# Altium PCB Main.PcbDoc (part 2 of 3)
Units mm, origin at the board's own origin, x right, y up, seen from the top; angles counter-clockwise.
Board outline 100 x 60 mm, 2 copper layers (Top Layer, Bottom Layer); 313 components, 187 nets, 848 pads, 489 vias.
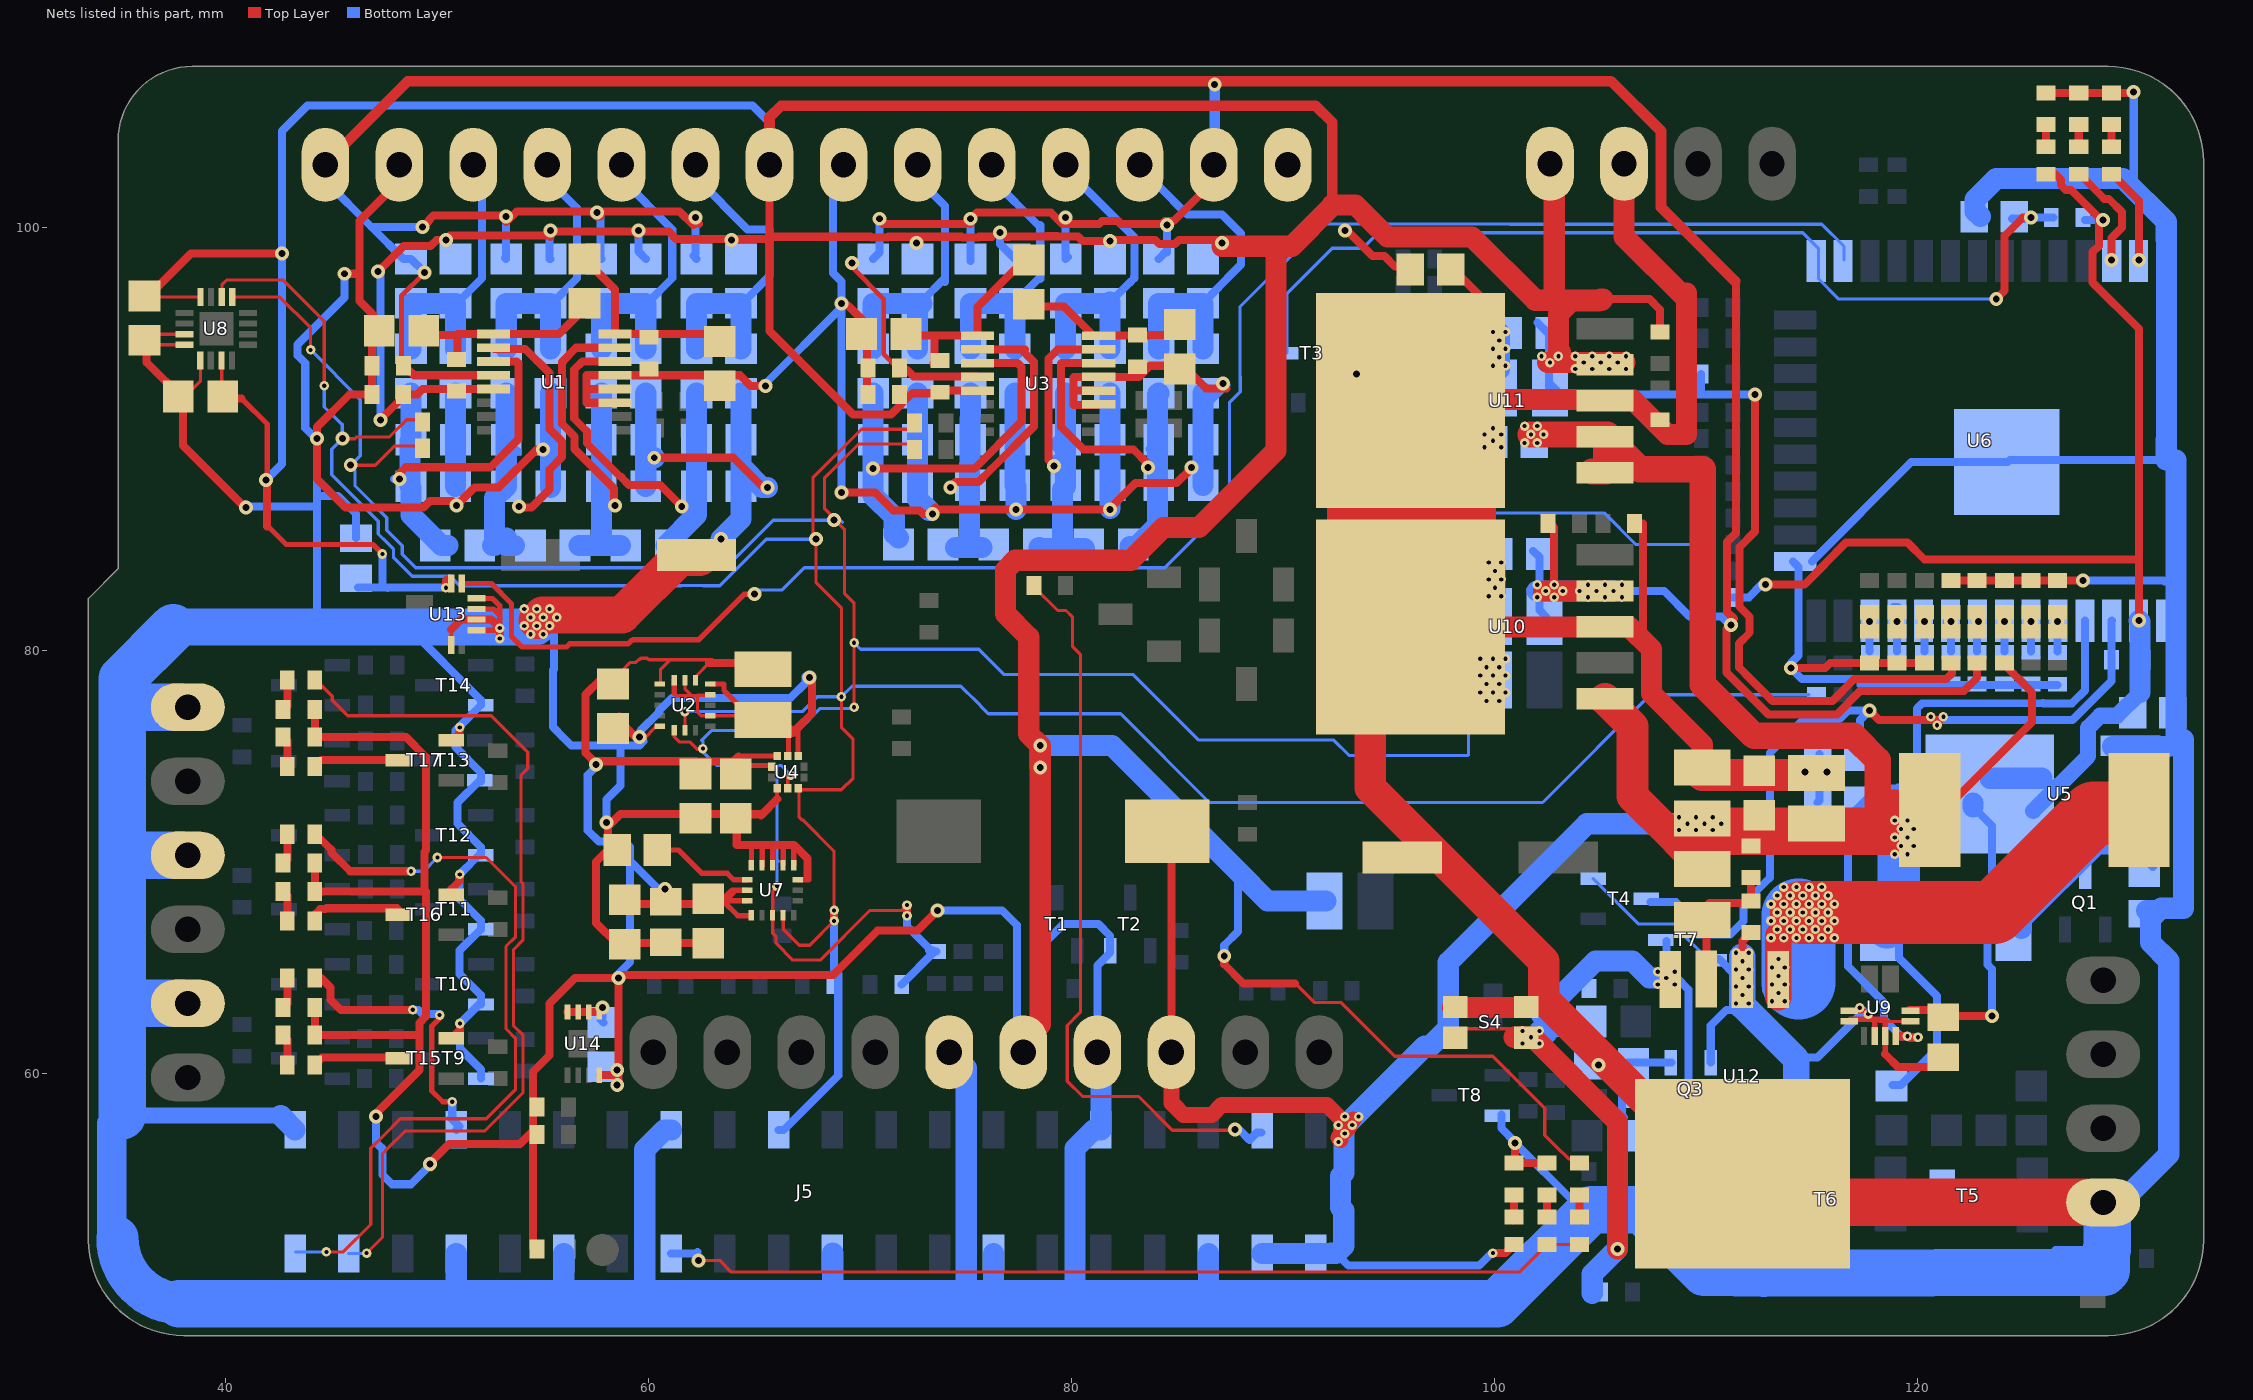
[diagram p2: the nets of this part, all layers, seen from the top]

## Via types
v1: diameter 0.45, hole 0.2, Top Layer to Bottom Layer, 295 vias
v2: diameter 0.66, hole 0.33, Top Layer to Bottom Layer, 147 vias
v3: diameter 1.02, hole 1.02, Top Layer to Bottom Layer, 40 vias
v4: diameter 2.75, hole 2.75, Top Layer to Bottom Layer, 4 vias
v5: diameter 1.6, hole 1.6, Top Layer to Bottom Layer, 2 vias
v6: diameter 2, hole 1, Top Layer to Bottom Layer, 1 vias

## Nets (pads, with @x,y where several pads share a name; then routed paths per layer and width w, separated by ;. In a path a pad name is that pad's centre, name@x,y a point inside that pad or via, vN(x,y) a via of type N, cw(c..) or ccw(c..) an arc to the next point about the centre after c; other vN are vias at no path point)
3.3V: C5.2 C9.2 C10.2 C15.2 C27.2 C28.2 C42.2 C43.2 C44.2 C45.2 C46.2 C57.2 C58.2 C66.2 C67.2 J6.1 J10.1 J13.1 JP1.2 R6.2 R12.2 R14.1 R19.1 R24.1 R29.1 R34.1 R39.1 R44.1 R49.1 R80.2 R107.2 R108.2 R109.2 R110.2 R123.2 R127.2 R149.2 R151.2 R153.2 R163.2 R164.2 R165.2 U1.13 U2.1 U2.14 U3.13 U4.1 U4.10 U7.1 U7.15 U7.16 U8.8 U8.15 U11.4 U13.12 U14.8 | length 513.3
  Top Layer w0.152: C45.2@36.672,96.704 U8.8@38.766,96.704 ; C46.2@39.8,92.152 U8.15@39.8,93.7 ; C10.2@58.7,78.4 58.7,79 59.122,79.422 59.375,79.422 59.531,79.578 59.581,79.578 59.622,79.619 59.928,79.619 59.997,79.55 63,79.55 62.85,79.4 U2.14@62.2,78.75 ; 60.55,78.525 60.55,79.1 60.981,79.531 ; 90.55,64.25 91.45,63.35 92.707,63.35 95.257,60.8 97.214,60.8 97.217,60.803 ; 97.1,60.803 97.217,60.803 ; R107.2@104,55.7 103.75,55.95 103.479,55.95 102.882,56.547 102.867,56.547 102.35,57.064 102.35,58.35 99.897,60.803 97.217,60.803
  Top Layer w0.25: 40.744,91.896 41.95,90.69 41.95,88.25 v2@42.1,88.1 ; v2@41.95,87.95 41.95,85.9 42.85,85 46.95,85 v1(47.4,84.55) ; C44.2@62.8,68.2 63.45,68.2 C44.2@63.5,68.15 ; C44.2@63.4,68.1 63.45,68.15 C44.2@63.5,68.15 ; 64,68.65 U7.15@64.65,68.65 ; 64.25,74.95 64.3,75 U4.10@66.05,75 ; C28.2@64.4,74.65 64.5,74.55 U4.1@65.8,74.55 ; U7.16@64.65,68.15 C44.2@63.5,68.15 ; U7.1@64.85,67.45 64.2,67.45 C44.2@63.5,68.15
  Top Layer w0.381: C45.2@36.2,96.6 38.35,98.75 v2(42.65,98.75) ; C46.2@39.8,92.152 39.544,91.896 40.744,91.896 ; 41.944,85.856 41.944,87.944 v2@41.95,87.95 ; R108.2@44.2,63.1 R149.2@44.2,61.8 49.15,61.8 ; R110.2@44.2,69.95 R151.2@44.2,68.6 49.45,68.6 ; R153.2@44.2,75.9 R109.2@44.2,77.25 ; R153.2@44.25,75.9 48.507,75.9 49.45,74.957 49.45,70.525 49.381,70.456 49.381,68.681 49.469,68.594 49.469,62.82 49.466,62.817 49.466,62.8 49.45,62.784 49.45,62.681 49.15,62.381 49.15,61.8 ; v2(47.1,57.95) 47.1,58.1 49.15,60.15 49.15,61.8 ; v2(47.2,97.9) 48.406,99.106 49.67,99.106 49.964,99.4 v2(50.4,99.4) 50.6,99.6 55.3,99.6 v2@55.35,99.55 ; v2(47.297,90.887) 47.297,90.897 48.5,92.1 49.05,92.1 49.3,92.35 U1.13@52.65,92.35 ; v2@49.7,55.55 49.7,55.8 50.55,56.65 53.9,56.65 R165.2@54.519,57.269 ; v1(50.4,82.95) 50.4,83.3 50.45,83.35 50.606,83.194 U13.12@50.606,83.1 ; R163.2@54.6,51.65 54.519,51.731 R165.2@54.519,57.269 ; v2(55.35,99.85) 55.393,99.806 59.306,99.806 59.3,99.8 59.375,99.725 59.45,99.65 59.5,99.7 v2(59.5,99.85) 59.55,99.8 60.936,99.8 61.286,99.45 63.85,99.45 v2(63.9,99.4) 63.95,99.45 65.7,99.45 ; U14.8@57.7,59.91 58.31,59.91 v2@58.5,60.1 ; v2(58.5,59.45) v2@58.5,60.1 ; v2(58.5,60.15) v2@58.5,60.1 ; v2@58.55,59.4 v2(58.55,64.5) ; C10.2@58.55,78.65 57.75,78.65 57,77.9 57,75.15 v2@57.525,74.625 ; C10.2@58.65,78.35 C10.2@58.7,78.4 ; C43.2@58.7,68.2 58.9,68 C42.2@60.75,68 ; C42.2@60.75,68.65 C42.2@60.75,68 ; v2(60.75,68.7) C42.2@60.8,68.7 ; 62.85,79.4 C9.2@65.3,79.4 ; C44.2@62.9,68.1 62.8,68 C42.2@60.75,68 ; C44.2@63.45,68.2 63.55,68.2 63.95,68.6 ; C28.2@64.3,73.75 64.23,73.82 64.23,74.98 63.981,74.731 62.244,74.731 62.225,74.75 57.65,74.75 v2@57.525,74.625 ; 65.45,64.65 62.7,64.65 62.7,64.644 58.694,64.644 v2(58.55,64.5) ; 65.514,64.65 68.714,64.65 70.814,66.75 72.7,66.75 v2(73.65,67.7) ; 65.7,99.2 65.7,95.1 69.65,91.15 71.45,91.15 72.45,92.15 R12.2@73.3,92.15 ; J13.1@65.7,102.19 65.7,99.45 ; R12.2@73.45,92.2 73.525,92.275 U3.13@75.53,92.275 ; 76.225,99.55 75.614,99.55 75.57,99.506 74.83,99.506 74.786,99.55 71.314,99.55 71.27,99.506 70.53,99.506 70.486,99.55 65.85,99.55 65.7,99.4 65.7,99.45 ; v2@76.85,99.569 76.869,99.55 77.018,99.55 77.037,99.569 78.813,99.569 78.816,99.572 79.301,99.572 79.317,99.556 80.07,99.556 80.08,99.566 80.284,99.566 80.5,99.35 81.75,99.35 81.8,99.4 83.936,99.4 84.13,99.206 84.87,99.206 85.064,99.4 86.8,99.4 v2@87.1,99.1 ; v2(87.2,65.55) 87.2,65.15 88.1,64.25 90.55,64.25 ; 105,96.6 105.1,96.6 107.3,96.6 107.8,96.1 R123.2@107.8,95.05 ; v2(112.3,92.1) 112.3,85.614 111.556,84.87 111.556,82.058 112.044,81.57 112.044,80.83 111.534,80.32 111.534,79.192 112.034,78.692 113.126,77.6 115.95,77.6 117,78.65 121.35,78.65 121.6,78.9 R80.2@121.6,79.4 ; R165.2@54.519,57.269 54.519,60.069 55.3,60.85 55.3,63.3 56.5,64.5 v2(58.55,64.5) ; v2@57.525,74.625 57.55,74.6 v2(57.5,74.6) v2@57.525,74.625
  Top Layer w0.5: J13.1@65.7,102.4 J13.1@65.7,102.95 65.7,105.2 66.25,105.75 91.513,105.75 92.3,104.963 92.3,101.053
  Top Layer w1: J10.1@77.7,61.5 78.5,62.3 v2(78.5,74.45) v2@78.5,75.45 ; v2(78.5,75.5) 77.953,76.047 77.953,79.527 77.953,80.63 76.856,81.726 76.856,83.8 77.309,84.253 80.841,84.253 80.844,84.25 81.056,84.25 81.059,84.253 82.341,84.253 82.344,84.25 82.776,84.25 84.323,85.797 85.997,85.797 89.65,89.45 89.65,99.1 ; v2@87.1,99.1 89.65,99.1 ; 94.103,100.347 94.913,99.537 98.916,99.537 101.904,96.55 102.8,96.55 ; 94.103,100.348 93.398,101.053 92.3,101.053 92.3,101 90.4,99.1 89.65,99.1 ; v1@102.495,93.6 v1(102.6,93.6) 104.6,93.6 U11.4@106.15,93.6 ; J6.1@102.6,103.05 102.8,102.85 102.8,96.55 ; v1@103.1,94.1 103,94.2 103,95.91 103.605,96.515 104.915,96.515 104.95,96.55 ; 105,96.6 104.95,96.55 ; 105.1,96.6 105.05,96.55 104.95,96.55 ; 102.8,96.55 104.95,96.55
  Bottom Layer w0.381: v2(41.9,88.05) 42.65,88.8 v2(42.65,98.75) 42.65,104.55 43.85,105.75 64.9,105.75 65.7,104.95 J13.1@65.7,102.95 J13.1@65.7,102.4 ; C66.2@46.244,82.956 47.4,82.956 ; v2(47.1,57.95) 47.1,56.726 47.338,56.488 47.362,56.488 47.4,56.45 47.4,55.2 47.85,54.75 48.75,54.75 v2@49.65,55.65 ; v2(47.2,97.9) 47.3,97.9 v2@47.3,90.85 ; v1(47.4,84.55) 47.4,82.956 ; 47.65,82.95 47.4,82.956 ; v1@50.306,82.956 47.4,82.956 ; R29.1@55.35,98.5 55.3,98.5 55.3,99.8 v2(55.35,99.85) ; v2@57.6,74.6 57.106,74.106 57.106,71.48 57.63,70.956 58.844,70.956 59.1,70.7 59.1,70.05 ; v2(58.55,64.5) 58.55,64.7 59.1,65.25 59.1,70.05 ; v2(59.5,99.85) 59.5,98.85 R39.1@59.85,98.5 ; v2(60.75,68.7) 60.45,68.7 59.1,70.05 ; v2(73.65,67.7) 76.7,67.7 77.4,67 77.4,61.39 J10.1@77.7,61.09 ; v2(76.6,99.75) 76.6,99.2 R24.1@77.3,98.5 ; v2(87.2,65.55) 87.2,66.05 87.85,66.7 87.85,69.55 ; C58.2@102,95.5 102.55,94.95 102.55,92.45 C57.2@102.6,92.4 ; C57.2@102.6,92.6 103,92.2 102.9,92.1 109.75,92.1 ; R127.2@109.75,93.05 109.75,92.1 ; v2@112.181,91.981 112.063,92.1 109.75,92.1
  Bottom Layer w1: v2(78.5,74.45) v2(78.5,75.5) ; v2@78.55,75.5 81.9,75.5 87.85,69.55 89.25,68.15 JP1.2@91.95,68.15 JP1.2@92,68.15 ; v1(102.6,93.6) v1(104.2,93.6) ; 103.8,93.6 v1(104.2,93.6) ; v1@105.6,93.6 104.6,93.6 ; 106.1,93.6 v1(105.8,93.6) v1(105,93.6) 104.6,93.6 ; v1(104.2,93.6) v1@104.228,93.6 ; v1(104.2,93.6) v1@104.228,93.6 ; v1@104.228,93.6 104.6,93.6 ; v1@104.228,93.6 104.6,93.6
  other v1: 103.8,93.3 104.6,93.3 105.4,93.3 106.2,93.3 102.2,93.9 103,93.9 103.8,93.9 104.6,93.9 105.4,93.9 106.2,93.9
  other v2: 49.65,55.7 72.65,99.25 87.1,99.25 81.8,99.35
5V: C59.2 C61.2 C62.2 C63.2 C64.2 D2.1 D10.1 J5.2 J5.4 J9.1 L1.2 LS1.2 R86.2 R93.1 R125.1 U10.1 U11.1 U11.2 | length 156
  Top Layer w0.381: LS1.2@82.7,72.7 LS1.2@83.9,71.5 ; LS1.2@84.05,71.25 LS1.2@84.05,71.35 ; LS1.2@84.6,71.45 84.7,71.35 84.7,61.09 J9.1@84.7,61.04 ; v1(99.9,51.5) 100.5,51.5 D10.1@100.9,51.9 D10.1@100.95,51.85 ; L1.2@120.6,71.8 125.4,76.6 125.4,78 124.744,78.656 124.737,78.656 124.506,78.887 124.506,78.894 124.1,79.3 R86.2@124.1,79.4
  Top Layer w0.762: J9.1@84.702,61.04 84.7,61.09 84.7,58.595 84.795,58.5 84.8,58.5 85.278,58.022 86.601,58.022 87.079,58.5 92.05,58.5 92.8,57.75 92.9,57.65 92.9,57.4 ; v1@92.7,56.85 92.6,56.95 v1@93.125,57.475 ; 93.3,57.8 92.9,57.4 ; 92.9,57.4 92.75,57.25 92.9,57.25 92.9,57.4
  Top Layer w1.25: v1(101.7,90.2) v1(102.3,90.2) U11.2@105.3,90.2 ; U11.1@104.6,88.45 105.25,88.45 105.25,90.15 106.85,88.55 109.822,88.55 109.822,78.378 112.25,75.95 116.95,75.95 118.1,74.8 118.1,71.652 118.1,71.5
  Top Layer w1.5: U10.1@105.2,77.697 105.203,77.697 106.5,76.4 106.5,73.1 108.4,71.2 108.675,70.925 C61.2@109.55,70.05
  Top Layer w2.25: C62.2@109.8,71.45 110.7,71.45 112.1,71.45 115.2,71.45 117.65,71.45 118.05,71.45 ; 117.85,71.45 118.05,71.45 ; 118.05,71.45 118.9,71.45 L1.2@119.2,71.45 ; 118.05,71.45 L1.2@119.2,71.45 ; 118.05,71.45 118.1,71.5 118.24,71.64 ; 118.24,71.64 118.866,71.582 118.939,71.575 119.012,71.568 119.2,71.551 119.273,71.544 119.461,71.527 119.534,71.52 119.607,71.514 119.795,71.496 119.868,71.49 120.3,71.45 119.8,71.45 L1.2@119.2,71.45 ; 118.24,71.64 118.9,72.3 118.729,72.161 118.714,72.15 118.7,72.138 118.338,71.845 118.1,71.652 118.24,71.64
  Bottom Layer w0.381: 92.5,51.475 93.075,50.9 99.25,50.9 99.85,51.5 v1(99.9,51.5) ; v1@109.3,71.8 v1@109.6,72.1 ; R93.1@118.8,59.45 119.2,59.45 120.9,61.15 120.9,63.65 119.1,65.45 119.1,67.4 119.075,67.425 119.05,67.45
  Bottom Layer w1: J5.4@88.99,51.479 J5.2@91.53,51.479 92.479,51.479 ; 92.25,51.5 92.525,51.5 92.85,51.825 92.85,53.516 92.7,53.666 92.7,55.134 92.861,55.295 92.861,57.15 92.861,57.532 93.094,57.764
  Bottom Layer w1.016: 92.925,57.525 96.677,61.277 96.94,61.277 97.789,62.126 97.789,65.239 104.35,71.8 109.3,71.8 110.3,71.8 v1@110.6,71.8
  Bottom Layer w2: D2.1@118.55,66.9 119.075,67.425 119.094,67.444 119.094,70.75 v1@119.094,71.15
  other v1: 92.6,56.75 92.9,57.15 92.6,57.55 93.25,57.55 92.9,57.95 93.55,57.95 118.9,70.35 119.5,70.35 119.2,70.75 119.8,70.75 118.9,71.15 119.5,71.15 108.7,71.5 109.5,71.5 110.3,71.5 119.2,71.55 119.8,71.55 109.1,71.8 109.9,71.8 110.7,71.8 118.9,71.95 119.5,71.95 108.7,72.1 109.5,72.1 110.3,72.1 101.4,89.8 102,89.8 101.4,90.6 102,90.6
5V_Clean: C6.2 C16.2 C54.2 C55.2 J8.1 J11.1 R13.1 R18.1 R23.1 R28.1 R33.1 R38.1 R43.1 R48.1 R76.2 R121.2 U1.12 U3.12 U10.4 | length 206
  Top Layer w0.225: 48.3,93.95 48.3,96.756 v2(49.397,97.853) ; v2@69.6,98.1 71.1,96.6 71.1,94 C16.2@71.6,93.5
  Top Layer w0.381: C6.2@48.4,93.45 48.9,93 ; 48.85,93.05 48.9,93 ; v2@49.3,100 49.594,100.294 49.594,100.344 49.8,100.55 53.05,100.55 v2@53.25,100.35 ; U1.12@52.45,93 48.9,93 ; v2(53.25,100.5) v2@53.25,100.35 ; v2(57.55,100.7) 57.55,100.65 v2@57.7,100.5 ; v2(62.2,100.45) v2@62.2,100.313 ; 62.356,100.156 v2@62.2,100.313 ; v2@70.844,100.356 71.044,100.156 74.914,100.156 75.052,100.294 75.189,100.156 75.189,100.389 v2(75.2,100.4) 75.5,100.7 79,100.7 79.55,100.15 81.286,100.15 81.43,100.294 82.17,100.294 82.308,100.156 84.256,100.156 84.4,100.3 84.81,100.3 J8.1@86.7,102.19 ; C16.2@72.2,93.25 72.5,92.95 75.505,92.95 U3.12@75.53,92.925 ; R121.2@102.5,86.1 102.8,85.8 v1(102.8,83.1) ; U10.4@105.202,82.8 v1(105.6,82.8) ; 111.35,97.45 111.4,97.5 111.4,85.54 110.972,85.112 110.972,81.816 111.294,81.494 111.15,81.35 v2(111.15,81.2) 110.95,81 110.95,78.95 111.45,78.45 112.931,76.969 116.169,76.969 117.266,78.066 122.166,78.066 122.8,78.7 R76.2@122.8,79.5 ; v2@53.25,100.35 53.25,100.25 53.75,100.75 57.263,100.75 57.513,100.5 v2@57.7,100.5 ; v2@57.7,100.5 57.7,100.75 61.45,100.75 62.1,100.1 62.2,100.2 v2@62.2,100.313
  Top Layer w0.5: J11.1@44.65,102.24 44.7,102.29 J11.1@44.7,102.95 44.7,103 48.6,106.9 105.45,106.9 ; 105.516,106.884 107.85,104.55 107.85,100.95 108.946,99.854 111.35,97.45
  Top Layer w1: v1@102.295,82.8 v1(102.4,82.8) v1(103.2,82.8) v1(104,82.8) v1(104.8,82.8) U10.4@105.202,82.8
  Bottom Layer w0.381: J11.1@44.7,102.19 46.891,100 ; v2(49.3,100) 46.891,100 ; v2(49.397,97.853) R18.1@48.75,98.5 48.39,98.5 46.891,100 ; R28.1@53.25,98.5 53.2,98.55 53.25,98.6 v2(53.25,100.5) ; v2(57.55,100.7) 57.6,100.7 57.7,100.6 57.7,98.55 R38.1@57.75,98.5 ; v2(62.2,100.45) 62.2,98.75 62.1,98.65 R48.1@62.25,98.5 ; R13.1@70.6,98.5 70.9,98.8 v2(70.9,100.4) ; R23.1@75.2,98.4 R23.1@75.2,98.5 v2(75.2,100.4) ; R33.1@79.7,98.5 79.8,98.6 R33.1@79.7,98.7 ; R33.1@79.7,98.6 R33.1@79.7,98.7 ; v2(79.7,100.45) R33.1@79.7,98.7 ; R43.1@84.1,98.5 R43.1@84.5,98.9 ; R43.1@84.5,98.8 R43.1@84.5,98.9 ; v2(84.5,100.1) R43.1@84.5,98.9 ; C55.2@101.8,84.7 102.1,84.4 102.1,82.8 102.1,81.9 C54.2@102.4,81.6 ; v1(105.6,82.8) 108,82.8 109.2,81.6 110.7,81.6 111.15,81.15 v2(111.15,81.2)
  Bottom Layer w0.5: J8.1@86.7,102.19 86.8,102.29 86.75,102.341 v2(86.75,106.75)
  Bottom Layer w1: C54.2@102,82.8 102.1,82.8 C54.2@102.295,82.8 ; v1(102.4,82.8) v1(103.2,82.8) v1(104,82.8) v1(104.8,82.8) v1(105.6,82.8)
  other v1: 102,82.5 102.8,82.5 104.4,82.5 105.2,82.5 106,82.5 102,83.1 104.4,83.1 105.2,83.1 106,83.1
  other v2: 69.6,98.3
ESP_VCC: C32.2 C52.2 D1.1 R55.1 R68.1 R85.1 U5.2 U6.2 U9.12 | length 73.7
  Top Layer w0.381: v2(112.8,83.1) 114.632,83.1 116.597,85.097 119.501,85.097 120.298,84.3 130.45,84.3 ; U9.12@119.6,62.994 120.506,62.994 120.8,62.7 v2(123.5,62.7) ; D1.1@126.05,102.55 126.45,102.55 126.756,102.244 126.756,101.987 126.987,101.756 127.244,101.756 128.55,100.45 128.55,99.114 128.256,98.82 128.256,97.394 130.45,95.2 130.45,84.3 ; v2(130.45,81.4) 130.45,84.3
  Bottom Layer w0.381: R85.1@111.25,82.5 112,82.5 112.6,83.1 v2(112.8,83.1) ; U5.2@122.6,72.6 123.5,71.7 123.5,68.882 123.281,68.663 123.281,65.137 123.5,64.918 v2(123.5,62.7) ; R55.1@127.9,100.35 v2(128.75,100.35)
  Bottom Layer w0.762: U5.2@125.45,72.4 128.041,74.991 128.041,76.332 128.609,76.9 129.4,76.9 130.5,78
  Bottom Layer w1: U5.2@122.6,72.6 U5.2@122.6,72.774 ; U5.2@123.4,73.95 U5.2@125.85,73.95 ; v2(130.45,81.4) 130.5,81.35 130.5,78
GND: C5.1 C6.1 C7.1 C8.1 C9.1 C10.1 C15.1 C16.1 C17.1 C18.1 C19.1 C20.1 C21.1 C22.1 C23.1 C24.1 C25.1 C26.1 C27.1 C28.1 C29.1 C30.1 C31.1 C32.1 C33.1 C34.1 C35.1 C36.1 C37.1 C38.1 C39.1 C40.1 C41.2 C42.1 C43.1 C44.1 C45.1 C46.1 C47.1 C50.1 C51.1 C52.1 C53.1 C54.1 C55.1 C56.1 C57.1 C58.1 C59.1 C60.1 C62.1 C63.1 C64.1 C65.1 C66.1 C67.1 D11.1 J5.6 J5.9 J5.14 J5.20 J5.25 J5.30 J5.34 J5.39 J6.2 J7.2 J8.2 J9.2 J10.2 J11.2 J13.2 J14.2 J15.2 J16.2 Q3.2 R5.2 R11.2 R16.2 R17.2 R21.2 R22.2 R26.2 R27.2 R31.2 R32.2 R36.2 R37.2 R41.2 R42.2 R46.2 R47.2 R51.2 R52.2 R58.1 R64.1 R70.1 R74.1 R77.1 R81.1 R83.1 R84.1 R88.1 R104.1 R105.1 R106.1 R111.1 R112.2 R116.1 R122.1 R124.1 R126.2 S4.2 S4.4 T1.2 T2.2 T3.2 T4.2 T5.2 T6.2 T7.2 T8.2 T9.2 T10.2 T11.2 T12.2 T13.2 T14.2 T15.2 T16.2 T17.2 U1.3 U1.4 U1.5 U2.5 U2.10 U2.12 U2.13 U2.15 U2.16 U3.3 U3.4 U3.5 U4.3 U4.8 U4.9 U5.1 U6.1 U6.15 U6.38 U6.39 U7.8 U7.9 U7.10 U7.11 U7.12 U7.13 U8.11 U8.12 U8.13 U9.5 U9.6 U9.8 U9.9 U9.11 U10.3 U10.6 U11.3 U11.6 U12.3 U12.6 U13.5 U13.7 U13.8 U13.9 U13.10 U14.1 U14.2 U14.3 U14.4 | length 889.2
  Top Layer w0.15: 118.15,62.453 119.647,62.453 U9.11@119.7,62.4
  Top Layer w0.152: C45.1@36.49,94.942 U8.11@38.058,94.942 ; C45.1@36.518,94.442 U8.12@38.058,94.442 ; C46.1@37.964,91.896 38.8,92.732 U8.13@38.8,93.7 ; U13.5@50.65,80.25 50.65,80.982 ; v2@59.7,75.8 59.75,75.8 U2.5@60.325,76.375 ; 61.2,77.95 61.3,77.85 62.024,77.85 ; U2.15@61.7,78.75 61.7,78.174 62.024,77.85 ; 62.35,77.85 62.3,77.85 ; U2.12@62.925,77.875 62.3,77.875 62.3,77.85 ; C9.1@65.3,77 65.2,76.9 U2.10@62.89,76.9 62.474,76.9 62.3,77.074 62.3,77.85 ; 66.065,72.965 U4.3@66.065,73.475 ; 62.024,77.85 62.3,77.85
  Top Layer w0.25: U13.9@51.85,81.95 52.65,81.95 52.95,81.65 ; U13.10@51.85,82.45 52.6,82.45 52.95,82.1 52.95,81.65 ; U13.7@51.9,80.95 v1@52.95,80.95 ; v1(52.95,81.05) 52.95,81.65 ; 61.2,77.95 U2.16@61.2,78.6 ; U2.13@62.9,78.4 63.55,78.4 63.55,78.1 C9.1@64.4,77.25 ; U7.13@64.85,69.85 64.85,70.8 64.85,70.85 ; U7.12@65.35,69.8 65.35,70.8 ; U7.11@65.85,69.8 65.85,70.8 ; U7.10@66.35,69.85 66.35,70.8 ; U4.9@66.6,75 C9.1@66.6,76.25 ; U7.9@66.85,69.85 66.85,70.8 ; U7.8@67.05,69.15 67.55,69.15 ; U4.8@67.05,75 67.05,76.35 ; U9.5@116.75,62.95 117.45,62.95 117.85,62.55 ; U9.6@116.8,62.55 117.85,62.55 ; 117.9,62.5 117.85,62.55 ; U9.8@117.95,61.8 117.95,62.45 ; 118.45,60.9 U9.9@118.45,61.75 ; U9.9@118.45,61.8 118.45,62.45 ; 118.45,62.55 117.85,62.55
  Top Layer w0.381: C45.1@36.49,94.942 C45.1@36.254,94.706 ; C45.1@36.518,94.442 C45.1@36.254,94.706 ; v2(40.95,86.75) 40.963,86.75 41.006,86.794 40.856,86.794 37.964,89.686 37.964,91.896 36.254,93.606 C45.1@36.254,94.706 ; 44.3,88.836 44.3,88.7 ; v2(45.6,97.8) 46.3,97.8 ; J11.2@48.2,102.19 46.306,100.296 46.306,96.504 47.51,95.3 47.51,95.1 46.9,94.49 C6.1@46.9,93.45 C5.1@46.9,92.1 45.85,92.1 44.3,90.55 v2(44.3,90) 44.3,88.7 ; T16.2@50.65,68.7 51.051,69.101 v1(51.051,69.401) ; 50.65,80.982 51.118,81.45 U13.8@51.85,81.45 52.55,81.45 v1(52.95,81.05) 52.95,80.95 v1(52.95,80.55) ; T15.2@50.66,61.65 51.061,62.051 v1(51.061,62.351) ; T17.2@50.667,75.7 51.051,76.085 51.05,76.086 v1(51.05,76.35) ; v2(55,89.5) 54.7,89.5 52.911,87.711 52.911,87.689 52.9,87.7 51.75,87.7 v2(50.9,86.85) 50.7,87.05 49.642,87.05 49.342,86.75 45.65,86.75 44.3,88.1 44.3,88.7 ; U14.4@56.15,62.895 U14.3@56.65,62.895 U14.2@57.15,62.895 U14.1@57.65,62.895 57.695,62.895 v2@57.85,63.05 ; 57.1,92.3 57.15,92.35 U1.4@58.39,92.35 ; U1.3@58.4,91.7 57.053,91.7 57.053,93 R5.2@60.25,93 ; C10.1@58.6,76.86 58.6,76.65 59.45,75.8 v2@59.65,75.8 ; C41.2@58.8,70.55 C41.2@58.5,70.55 C41.2@58.05,70.55 ; C41.2@58.8,70.99 C41.2@58.8,71 ; v2(60.25,89.1) 64,89.1 65.4,87.7 v2(65.6,87.7) v2@65.7,87.7 ; R5.2@60.275,93.025 R5.2@60.25,93 ; C44.1@62.9,66.15 C44.1@62.8,66.15 58.45,66.15 57.5,67.1 57.5,70 C41.2@58.05,70.55 ; C28.1@63.5,72.23 C28.1@64.15,72.23 ; C28.1@64.15,72.3 C28.1@64.15,72.25 ; C9.1@65.253,77.047 65.9,77.047 66.815,76.132 ; 65.29,72.19 66.065,72.965 ; C9.1@65.3,77 C9.1@65.547,77 ; v2@65.4,92.6 v2(65.5,92.5) 64.8,92.5 64.3,93 R5.2@60.25,93 ; 66.815,76.085 66.8,76.1 67.05,76.35 67.7,77 v2@67.7,78.8 ; 67.5,69.2 67.5,70.15 66.85,70.8 66.35,70.8 65.85,70.8 65.35,70.8 64.85,70.8 64.15,70.8 C28.1@64.15,72.23 ; v2@69.05,87.45 v2(69.1,87.45) 70.7,87.45 71.55,86.6 72.8,86.6 72.95,86.45 v2(73.4,86.45) ; v2@69.1,96.3 69.41,96.3 70.31,95.4 C15.1@70.31,92.3 ; v2@73.275,86.475 73.55,86.75 73.65,86.65 v2(77.35,86.65) 81.65,86.65 81.75,86.75 v2@81.8,86.7 ; U3.3@81.2,91.6 80.068,91.6 80.068,92.282 ; U3.4@81.27,92.275 80.075,92.275 80.068,92.282 ; v2(81.8,86.65) v2@81.8,86.7 ; v2(85.65,88.65) 85.65,88.6 84.95,87.9 83,87.9 v2@81.8,86.7 ; v2@87.3,92.375 86.345,92.375 85.27,93.45 83.7,93.45 83.175,92.925 U3.5@81.27,92.925 80.093,92.925 80.068,92.9 80.068,92.282 ; U10.6@96.048,81.252 U10.6@96.2,81.1 ; U11.6@96.248,92.052 U11.6@96.3,92 ; U11.6@96.25,91.95 U11.6@96.3,92 ; U11.6@96.4,91.9 U11.6@96.3,92 ; C65.1@97.9,98.15 100.1,95.95 100.1,95.8 U11.6@96.3,92 ; R116.1@100.85,55.65 R116.1@100.95,55.75 ; v2(100.95,56.7) R116.1@100.95,55.75 ; R105.1@102.45,55.75 R116.1@100.95,55.75 ; R122.1@106.55,86 107,86 107,80.6 107.35,80.25 ; U12.6@107.9,55.8 U12.6@108.2,55.5 ; U12.3@111.7,64.442 v1(111.7,64.5) v1(111.7,65.3) 111.7,66.25 R126.2@112.1,66.65 ; v2(114,79.15) 115.6,79.15 115.85,79.4 ; 115.85,79.4 R70.1@117.7,79.4 ; R70.1@117.5,79.45 117.55,79.4 R58.1@120.3,79.4 ; 118.45,60.9 119.05,60.3 120.85,60.3 C52.1@121.25,60.7 ; R81.1@121.6,83.3 R88.1@124.1,83.3 126.55,83.3 R74.1@126.6,83.35 ; R84.1@126.05,106.35 R104.1@127.65,106.35 ; R74.1@126.65,83.4 126.75,83.3 v2(127.8,83.3) ; R104.1@127.6,106.4 R104.1@127.65,106.35 ; v2@130.25,106.35 R106.1@129.15,106.35 R104.1@127.65,106.35 ; C41.2@58.05,70.55 C41.2@58.069,70.569 ; C41.2@58.05,70.55 C41.2@58.069,70.569 ; C41.2@58.069,70.569 58.069,71.669 58.65,72.25 64.1,72.25 C28.1@64.15,72.25 ; C28.1@64.15,72.23 65.28,72.23 65.3,72.25 C28.1@64.15,72.25 ; C28.1@64.15,72.23 C28.1@64.15,72.25
  Top Layer w1: U10.6@94.1,81.1 U10.6@96,81.1 U10.6@96.2,81.1 ; U10.6@94.9,82.8 95.4,82.8 95.8,82.4 95.8,81.5 U10.6@96.048,81.252 ; U11.6@95.1,93.6 95.6,93.6 96,93.2 96,92.3 U11.6@96.248,92.052 ; U11.6@96.048,91.9 96.4,91.9 96.9,91.85 106.5,91.85 108.15,90.2 109.05,90.2 109.05,95.194 109.05,96.6 ; U10.6@96.7,81.1 U10.3@105.195,81.1 106.35,81.1 107.4,80.05 107.4,77.95 109.8,75.55 C62.1@109.8,74.45 C62.1@109.8,74.1 ; S4.4@98,63.1 98.125,63.1 101.475,63.1 S4.2@101.8,63.1 ; J6.2@106.2,101.8 106.1,101.7 106.1,99.55 109.05,96.6 ; 109.05,96.6 109.053,96.597 109.053,96.891 109.05,96.888 109.05,96.6
  Top Layer w1.5: U10.6@94.1,81.1 94.1,73.5 102.3,65.3 102.3,63.5 107.2,58.6 107.2,58.9 107.9,58.9 U12.6@107.9,58 ; U10.6@96.7,81.1 U10.6@96.7,81.6 ; U11.6@96.9,91.85 U11.6@96.9,92.4 ; U12.6@107.9,55.8 U12.6@107.9,57.7 ; C62.1@109.8,74.1 C63.1@114.6,74.1
  Top Layer w1.75: 54.714,81.4 54.977,81.663 55.3,81.663 58.718,81.663 61.43,84.375 C47.1@62.4,84.375
  Top Layer w2.25: U12.6@110.2,54.4 110.7,53.9 111.7,53.9 J7.2@127.9,53.9
  Top Layer w8: U10.6@96.048,81.252 96.048,82.95 96.048,84.15 96.048,90.5 U11.6@96.048,91.9
  Bottom Layer w0.152: T4.2@104.645,69.2 106.795,67.05 108.5,67.05 108.85,66.7 108.85,66.6 T7.2@110.05,65.4
  Bottom Layer w0.381: v2@40.9,86.9 v2@40.95,86.85 ; 44.3,81.1 44.3,86.7 ; v2(44.3,90) v2@44.3,89.95 ; v2(45.6,97.8) 45.6,96.675 43.381,94.456 43.381,93.944 43.75,93.575 43.75,90.5 v2@44.3,89.95 ; C66.1@46.15,85.3 46.15,86.45 45.3,87.3 44.3,87.3 ; 48.5,81.2 48.6,81.1 52.05,77.65 T14.2@52.05,77.4 51.05,76.4 v1(51.05,76.35) 51,76.35 50.85,76.2 50.85,75.426 52.05,74.226 T13.2@52.05,73.8 ; 48.5,81.3 48.7,81.1 ; v1@51.116,69.466 51.4,69.75 ; T13.2@52.005,73.85 50.95,72.795 50.95,71.8 52.05,70.7 T12.2@52.05,70.4 ; T12.2@52.05,70.3 T12.2@52.05,70.4 ; T9.2@52.06,59.75 52.06,60.176 51.061,61.175 v1(51.061,62.351) T10.2@52.06,63.35 ; T10.2@52.06,63.25 T10.2@52.06,63.35 ; v1@54.975,81.425 55.275,81.125 55.5,80.9 55.5,79.1 55.465,79.065 55.465,76.361 55.531,76.296 55.531,76.294 55.894,75.931 55.896,75.931 56.327,75.5 58.65,75.5 ; C22.1@55.35,89.95 C22.1@55.35,90 ; v2(57.8,63.1) 57.8,62.65 57.7,62.55 C67.1@57.85,62.4 ; v2(58,71.85) 58,72.95 58.65,73.6 58.65,75.5 ; 59.6,48.9 59.8,49.1 ; v2(65.5,92.5) 65.5,92.6 v2@69.1,96.2 ; v2@67.4,78.75 67.4,78.45 66.7,77.75 61.086,77.75 60.487,77.151 60.487,77.087 59.6,76.2 v2@59.6,75.85 ; 68.7,98.476 68.7,98.576 ; v2@69.05,87.45 69.1,87.5 v2@69.1,96.2 ; v2@69.1,96.3 v2(69.1,96.4) 69.1,97.436 68.706,97.83 68.706,98.57 68.7,98.576 ; v2@69.15,96.25 v2@69.1,96.2 ; J13.2@69.2,102.19 68.7,101.69 68.7,98.576 ; 72.5,49.25 72.65,49.1 72.65,49.05 ; J10.2@74.2,60.65 74.2,61.05 J10.2@74.2,61.09 ; J5.14@76.29,51.479 J5.14@76.311,51.5 ; C21.1@77.1,89.75 C21.1@77.3,89.95 ; T1.2@78.35,65.795 79.605,67.05 81.25,67.05 81.8,66.5 T2.2@81.8,65.8 T2.2@81.8,65.75 ; 80.1,49 80.2,49.1 80.15,49.15 ; J9.2@81.155,61.135 J9.2@81.2,61.09 ; J9.2@81.2,60.99 J9.2@81.2,61.09 ; J9.2@81.37,60.92 J9.2@81.2,61.09 ; T2.2@81.8,65.7 81.2,65.1 J9.2@81.2,61.09 ; R46.2@86.2,87.8 86.2,88.9 C25.1@86.2,89.3 ; R47.2@86.2,92.15 86.55,91.8 87.3,92.55 87.25,92.6 v2(87.15,92.6) ; J5.6@86.45,51.479 J5.6@86.471,51.5 ; T3.2@92.55,93.1 92.6,93.05 v2(93.45,93.05) ; T8.2@100.3,58.05 100.3,57.4 v2@100.975,56.725 ; v2(100.95,56.7) 103.75,53.9 105.95,53.9 105.95,54.2 ; 106.6,53.25 106.6,53.55 105.95,54.2 ; Q3.2@110.2,60.505 110.2,62.25 110.95,63 111.3,63 111.7,63.4 v1@111.9,63.6 ; T7.2@110.355,65.4 110.6,65.4 111.4,64.6 ; 112.3,54.95 112.35,55 112.7,55 T6.2@114.4,55 ; 112.3,62.2 112.5,62.4 ; U6.15@114.1,84.2 114.1,84.185 114.145,84.14 114.35,83.935 114.346,83.931 114.346,80.237 114.35,80.233 114.35,79.75 114,79.4 v2(114,79.15) 114.506,78.644 117.294,78.644 117.294,78.36 C34.1@117.7,78.36 ; D11.1@114.2,58.35 D11.1@114.25,58.3 ; 114.3,60.75 115.25,60.75 117.445,62.945 ; v2(114.65,74.25) 115.35,74.25 ; U6.15@114.982,84.2 119.682,88.9 124.24,88.9 124.34,89 131.74,89 131.75,89 132.2,89 ; C53.1@115.25,72.8 115.35,72.9 115.35,74.25 ; C35.1@115.35,75.1 115.35,74.25 ; v2@115.65,74.25 115.35,74.25 ; v1@117.284,63.08 117.445,62.945 ; 117.45,62.95 117.445,62.945 ; v1@117.613,62.806 117.445,62.945 ; C34.1@117.7,78.35 120.3,78.35 124.1,78.35 C36.1@126.6,78.35 ; 125.45,51.1 125.7,51.1 ; 126.5,51.65 128.9,51.65 ; v2(127.8,83.3) 131.6,83.3 131.65,83.25 ; 128.95,51.65 R111.1@129.2,51.65 ; v2(130.2,106.4) 130.2,101.85 130.25,101.8 ; C31.1@131.2,68 C31.1@131.3,67.9 ; 131.85,75.45 132.2,75.8 ; 132.362,75.962 132.55,75.775 ; v2(40.95,86.75) v2@41,86.8 ; v2(40.95,86.75) v2@40.95,86.85 ; v2(40.95,86.75) 40.963,86.75 41.006,86.794 v2@41,86.8 ; v2@40.95,86.85 v2@41,86.8 ; v2@41,86.8 44.3,86.8 44.3,87.3 ; 44.3,87.3 v2@44.3,89.95 ; T12.2@52.05,70.4 v1(51.051,69.401) 51.051,68.225 52.05,67.226 T11.2@52.05,66.8 51.05,65.8 51.05,64.7 52.06,63.69 T10.2@52.06,63.35 ; 58.65,75.5 59.55,75.5 ; 59.55,75.5 v2@59.73,75.68 ; 59.55,75.5 v2@59.73,75.68 ; v2@59.6,75.81 v2@59.73,75.68 ; v2@59.6,75.81 59.55,75.86 v2(59.55,75.9) v2@59.6,75.85 ; v2@59.6,75.81 v2@59.6,75.85 ; v2@59.6,75.85 59.75,75.7 v2@59.73,75.68 ; 105.95,54.2 105.95,55.6 105.95,54.2 ; R112.2@105.95,55.65 106,55.7 105.95,55.7 R112.2@105.95,55.65